# KiCad board Preamp_1.kicad_pcb (continued)
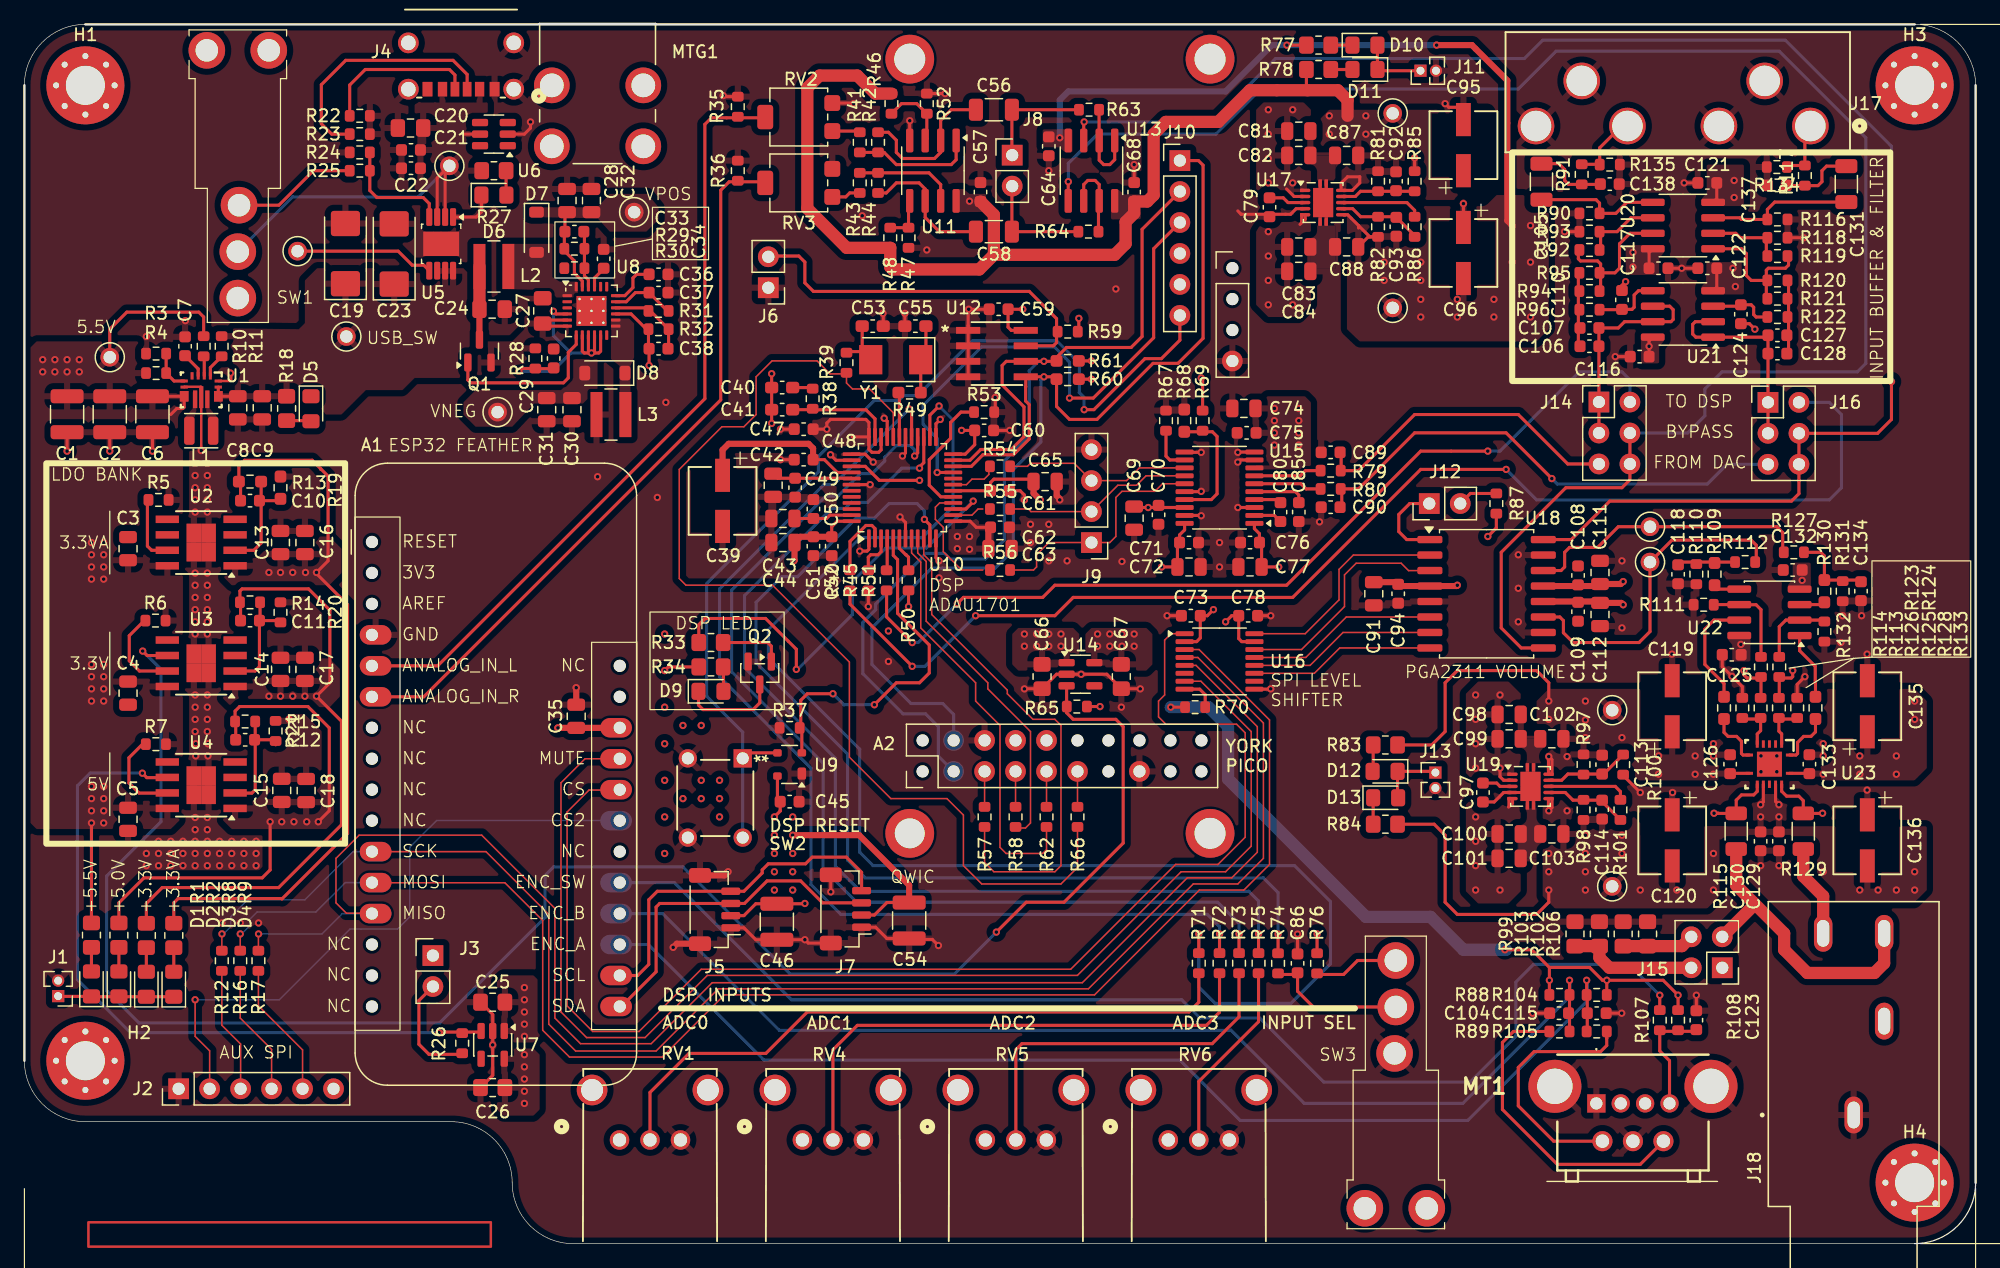
[diagram p0: board, top side]
## Library data of the parts
A1 A2 = -: Datasheet: https://cdn-learn.adafruit.com/downloads/pdf/adafruit-feather.pdf; Description: Microcontroller module in various flavor, generic symbol; ki_fp_filters: Adafruit*Feather*
C1 C2 C6 C46 C54 = -: Part Number: GRM32ER71E226ME15L; Voltage: 25V; Manufacturer_Part_Number: GRM32ER71E226ME15L; ki_fp_filters: C_*
C3-C5 C13-C18 C28 C30-C32 C35 C42-C44 C63 C65 C69 C72 C74 C77 C81-C84 C87 C88 C91 C98-C103 C111 C112 = -: Description: CAP CER 10UF 25V X7R 1206; Part Number: GRM21BZ71E106KE15L; Voltage: 25V; Manufacturer_Part_Number: GRM21BZ71E106KE15L; ki_fp_filters: C_*
C7 C47 C57 C64 C68 C73 C78 C116 C117 C121 C122 C125 C126 C129 C130 C132 C133 = -: Part Number: GCJ188R71C104KA01D; Voltage: 16V; Manufacturer_Part_Number: GCJ188R71C104KA01D; ki_fp_filters: C_*
C8 C9 = -: Part Number: GRM21BZ71E106KE15L; Voltage: 25V; Manufacturer_Part_Number: GRM21BZ71E106KE15L; ki_fp_filters: C_*
C10-C12 C21 C34 C79 C92 C93 C97 C113 C114 = -: Description: CAP CER 10000PF 100V X7R 0603; Part Number: GCM188R72A103KA37D; Voltage: 100V; Manufacturer_Part_Number: GCM188R72A103KA37D; ki_fp_filters: C_*
C19 C23 = -: Description: CAP, TANTALUM, 68U; Voltage: 16V; Part Number: T495C686M016ATE250; Manufacturer_Part_Number: T495C686M016ATE250; ki_fp_filters: CP_*
C20 C24 C27 = -: Description: CAP, MLCC, 4.7U, 50V, 0805; Part Number: GRM188Z71C475KE21D; Voltage: 16V; Manufacturer_Part_Number: GRM188Z71C475KE21D; ki_fp_filters: C_*
C22 C29 C45 C48-C52 C59-C62 C70 C71 C75 C76 C94 C108 C109 = -: Description: CAP CER 0.1UF 35V X7R 0805; Part Number: GCJ188R71C104KA01D; Voltage: 16V; Manufacturer_Part_Number: GCJ188R71C104KA01D; ki_fp_filters: C_*
C25 C26 C66 C67 = -: Part Number: 0805YC105KAT2A; Voltage: 16V; Manufacturer_Part_Number: 0805YC105KAT2A; ki_fp_filters: C_*
C33 C38 = -: Voltage: 100V; ki_fp_filters: C_*
C36 = -: Part Number: GCM188R71H472KA37J; Voltage: 50V; Manufacturer_Part_Number: GCM188R71H472KA37J; ki_fp_filters: C_*
C37 = -: Part Number: GRM188R71E224KA88D; Voltage: 25V; Manufacturer_Part_Number: GRM188R71E224KA88D; ki_fp_filters: C_*
C39 = -: Description: 47 µF 35 V Aluminum Electrolytic Capacitors Radial, Can - SMD 2000 Hrs @ 105°C; Part Number: UCM1V470MCL1GS; Voltage: 35V; Manufacturer_Part_Number: UCM1V470MCL1GS; ki_fp_filters: C_*
C40 = -: Part Number: GCM188R71H563KA57D; Voltage: 50V; Manufacturer_Part_Number: GCM188R71H563KA57D; ki_fp_filters: C_*
C41 = -: Part Number: GRM1885C1H332JA01D; Voltage: 50V; Manufacturer_Part_Number: GRM1885C1H332JA01D; ki_fp_filters: C_*
C53 C55 = -: Voltage: 35V; ki_fp_filters: C_*
C56 C58 = -: Part Number: GRM31C5C1H224JE02L; Voltage: 50V; Manufacturer_Part_Number: GRM31C5C1H224JE02L; Dielectric: C0G; ki_fp_filters: C_*
C80 C85 = -: Description: CAP CER 2.2UF 16V X7R 0603; Part Number: GRM188Z71E225ME43D; Voltage: 16V; Manufacturer_Part_Number: GRM188Z71E225ME43D; ki_fp_filters: C_*
C86 C104 C115 C123 = -: Description: CAP, MLCC, 0.1U, 16V, 0805; Part Number: GCJ188R71C104KA01D; Voltage: 16V; Manufacturer_Part_Number: GCJ188R71C104KA01D; ki_fp_filters: C_*
C89 C90 = -: Part Number: GRM1885C1H222JA01D; Voltage: 50V; Manufacturer_Part_Number: GRM1885C1H222JA01D; Dielectric: C0G; ki_fp_filters: C_*
C95 C96 C119 C120 C135 C136 = -: Description: 47 µF 35 V Aluminum Electrolytic Capacitors Radial, Can - SMD 2000 Hrs @ 105°C; Part Number: UCM1V470MCL1GS; Voltage: 35V; Manufacturer_Part_Number: UCM1V470MCL1GS; ki_fp_filters: CP_*
C105 C131 = -: Description: CAP CER 0.22UF 50V C0G/NP0 1206; Part Number: GRM31C5C1H224JE02L; Voltage: 50V; Manufacturer_Part_Number: GRM31C5C1H224JE02L; Dielectric: C0G; ki_fp_filters: C_*
C106 C107 C110 C124 C127 C128 = -: Part Number: GRM1885C1E122JA01D; Voltage: 25V; Manufacturer_Part_Number: GRM1885C1E122JA01D; Dielectric: C0G; ki_fp_filters: C_*
C118 C134 C137 C138 = -: Part Number: GRM1885C1H101JA01D; Voltage: 50V; Manufacturer_Part_Number: GRM1885C1H101JA01D; Dielectric: C0G; ki_fp_filters: C_*
D1-D6 D9-D13 = -: Description: Light emitting diode; Part Number: APT2012PGW; ki_fp_filters: LED* LED_SMD:* LED_THT:*
D7 D8 = -: Description: Schottky diode; Part Number: MBR120; ki_fp_filters: TO-???* *_Diode_* *SingleDiode* D_*
H1-H4 = -: Description: Mounting Hole with connection; ki_fp_filters: MountingHole*Pad*
J1 J11 J13 = -: Description: Generic connector, double row, 02x01, this symbol is compatible with counter-clockwise, top-bottom and odd-even numbering schemes., script generated (kicad-library-utils/schlib/autogen/connector/); Part Number: FTS-102-01-L-S; ki_fp_filters: Connector*:*_2x??_*
J2 J10 = -: Description: Generic connector, single row, 01x06, script generated (kicad-library-utils/schlib/autogen/connector/); ki_fp_filters: Connector*:*_1x??_*
J3 J6 J8 J12 = -: Description: Generic connector, double row, 02x01, this symbol is compatible with counter-clockwise, top-bottom and odd-even numbering schemes., script generated (kicad-library-utils/schlib/autogen/connector/); ki_fp_filters: Connector*:*_2x??_*
J4 = -: ki_fp_filters: CONN6_125-GF-A-0190_GCT
J5 J7 = -: Description: Generic connectable mounting pin connector, single row, 01x04, script generated (kicad-library-utils/schlib/autogen/connector/); ki_fp_filters: Connector*:*_1x??-1MP*
J9 = -: Description: Generic connector, single row, 01x04, script generated (kicad-library-utils/schlib/autogen/connector/); ki_fp_filters: Connector*:*_1x??_*
J14 J16 = -: Description: Generic connector, double row, 02x03, odd/even pin numbering scheme (row 1 odd numbers, row 2 even numbers), script generated (kicad-library-utils/schlib/autogen/connector/); ki_fp_filters: Connector*:*_2x??_*
J15 = -: Description: Generic connector, double row, 02x02, odd/even pin numbering scheme (row 1 odd numbers, row 2 even numbers), script generated (kicad-library-utils/schlib/autogen/connector/); ki_fp_filters: Connector*:*_2x??_*
J17 = -: ki_fp_filters: CONN6_984x394_SWC
J18 = -: Description: 1/4 IN TRS Jack
L1 = -: Description: 1u inductor; Part Number: 74438324010; Manufacturer_Part_Number: 74438324010; ki_fp_filters: Choke_* *Coil* Inductor_* L_*
L2 L3 = -: Description: Inductor; Part Number: 74438357047; Manufacturer_Part_Number: 74438357047; ki_fp_filters: Choke_* *Coil* Inductor_* L_*
MT1 = -: Description: 2 Bit Quadrature Encoder; PARTREV: Rev. 09/19; MANUFACTURER: J.W.Miller/Bourns; MAXIMUM_PACKAGE_HEIGHT: 21.5 mm; STANDARD: Manufacturer Recommendations
Q1 = -: Datasheet: http://www.vishay.com/docs/63924/si2371eds.pdf; Description: -3.6A Id, -30V Vds, P-Channel MOSFET, SOT-23; ki_fp_filters: SOT?23*
Q2 = -: Datasheet: https://assets.nexperia.com/documents/data-sheet/MMBT2222A.pdf; Description: 600mA Ic, 40V Vce, NPN Transistor, SOT-23; ki_fp_filters: SOT?23*
R1 R2 R18 R77 R78 = -: Part Number: CRCW0805150RFKEA; Manufacturer_Part_Number: CRCW0805150RFKEA; ki_fp_filters: R_*
R3 R4 R20 R29 R30 R68 R69 R109 R114 R115 R123 R124 R129 R130 R133 = -: ki_fp_filters: R_*
R5-R7 R10 R11 R24-R26 R46-R48 R52 R59 R63-R65 R76 R85-R89 R92 R93 R100 R101 R104 R105 R108 R119 = -: Part Number: CRCW060310K0FKEA; ki_fp_filters: R_*
R8 R9 R84 = -: Part Number: CRCW0805150RFKEA; ki_fp_filters: R_*
R12 R16 R17 R39 R50 R53 R57 R58 R62 R66 R71-R75 R107 = -: Description: RES, 0805, 0-OHM; Part Number: CRCW06030000Z0EA; ki_fp_filters: R_*
R13 R15 R81 = -: Part Number: CRCW060332K4FKEA; ki_fp_filters: R_*
R14 = -: Part Number: CRCW080532K4FKEA; ki_fp_filters: R_*
R19 = -: Part Number: CRCW060324K5FKEA; ki_fp_filters: R_*
R21 = -: Part Number: CRCW060315K0FKEA; ki_fp_filters: R_*
R22 R23 = -: Description: RES, 0603, 5.1K, 1PCT; Part Number: CRCW06035K10FKEA; ki_fp_filters: R_*
R27 = -: Description: RES, 0805, 150-OHM, 1PCT; Part Number: CRCW0805150RFKEA; Manufacturer_Part_Number: CRCW0805150RFKEA; ki_fp_filters: R_*
R28 = -: Part Number: CRCW0603100RFKEA; ki_fp_filters: R_*
R31 R35-R37 R90 R116 R134 R135 = -: Part Number: CRCW0603100KFKEA; ki_fp_filters: R_*
R32 = -: Part Number: CRCW06031M00FKEA; ki_fp_filters: R_*
R33 = -: Description: RES, 0805, 2.2K, 1PCT; Part Number: CRCW08052K20FKEA; ki_fp_filters: R_*
R34 R83 = -: Description: RES, 0805, 150-OHM, 1PCT; Part Number: CRCW0805150RFKEA; ki_fp_filters: R_*
R38 = -: Description: RES, 0805, 470, 1PCT; Part Number: CRCW0603470RFKEA; ki_fp_filters: R_*
R40 R45 R51 = -: Description: RES, 0805, 18K, 1PCT; Part Number: CRCW060318K0FKEA; ki_fp_filters: R_*
R41 R43 R99 R102 R103 R106 = -: Part Number: CRCW0805820RFKEA; ki_fp_filters: R_*
R42 R44 = -: Part Number: CRCW060356K0FKEA; ki_fp_filters: R_*
R49 = -: Description: RES, 0805, 100, 1PCT; Part Number: CRCW0805100RFKEA; ki_fp_filters: R_*
R54-R56 R67 = -: Description: 0 OHM JUMPER; Part Number: CRCW06030000Z0EA; ki_fp_filters: R_*
R60 R61 = -: Description: RES, 0805, 2.2K, 1PCT; Part Number: CRCW06032K20FKEA; ki_fp_filters: R_*
R70 = -: Description: RES, 0805, 3K3, 1PCT; Part Number: CRCW08053K30FKEA; ki_fp_filters: R_*
R79 R80 = -: Description: RES, 0805, 470-OHM; Part Number: CRCW0603470RFKEA; ki_fp_filters: R_*
R82 = -: Part Number: CRCW060342K2FKEA; ki_fp_filters: R_*
R91 R110-R113 R117 R125-R128 R131 R132 = -: Part Number: CRCW06031K00FKEA; ki_fp_filters: R_*
R94-R96 R120-R122 = -: Part Number: CRCW06031K80FKEA; ki_fp_filters: R_*
R97 = -: Part Number: CRCW060375K0FKEA; ki_fp_filters: R_*
R98 = -: Part Number: CRCW060384K5FKEA; ki_fp_filters: R_*
R118 = -: Part Number: CRCW060327K0FKEA; ki_fp_filters: R_*
RV1 RV4-RV6 = -: Description: Potentiometer with a mounting pin; ki_fp_filters: Potentiometer*
RV2 RV3 = -: Description: 3314G-1-103E; ki_fp_filters: Potentiometer*
SW1-SW3 = -: Description: SPDT Toggle Switch
TP1-TP12 = -: PARTREV: C; MANUFACTURER: Keystone Electronics; MAXIMUM_PACKAGE_HEIGHT: 5.08 mm; STANDARD: Manufacturer Recommendations
U1 = -: Datasheet: https://www.ti.com/lit/gpn/tps63070; Description: Wide input voltage (2V-16V) buck-boost converter; ki_fp_filters: RNM0015A
U2-U4 = -: Datasheet: https://www.ti.com/lit/ds/symlink/tps7b86-q1.pdf?ts=1763509538684&ref_url=https%253A%252F%252Fwww.ti.com%252Fproduct%252FTPS7B86-Q1; Description: LDO, ADJ, 500MA; Part Number: TPS7B8601BQDDARQ1
U5 = -: Description: 2A USB Switch; Part Number: TPS2000EDGNR
U6 = -: Datasheet: https://www.st.com/resource/en/datasheet/usblc6-2.pdf; Description: Very low capacitance ESD protection diode, 2 data-line, SOT-23-6; ki_fp_filters: SOT?23*
U7 = -: Datasheet: https://www.ti.com/lit/ds/symlink/tps7a05.pdf; Description: 200-mA Ultra-Low-Iq LDO, 3.0V, SOT-23-5; ki_fp_filters: SOT?23*
U8 = -: Datasheet: http://www.ti.com/lit/ds/symlink/tps65130.pdf; Description: Split-Rail Converter with Dual, Positive and Negative Outputs (750mA typ, Switch Current Limit 1950mA typ),), 2.7-5.5V, VQFN-24; ki_fp_filters: VQFN*1EP*4x4mm*P0.5mm*
U9 = -: Description: Manual Reset Controller, 3.3V; Part Number: ADM811-3TARTZ-RL7; Manufacturer_Part_Number: ADM811-3TARTZ-RL7
U10 = -: Datasheet: https://www.analog.com/media/en/technical-documentation/data-sheets/ADAU1701.pdf; Description: SigmaDSP 28-/56-Bit Audio Processor with Two ADCs and Four DACs, 50 MIPS, 1kword Program RAM, 2kword Data RAM, LQFP-48; Manufacturer_Part_Number: ADAU1701JSTZ-RL; Part Number: ADAU1701JSTZ-RL; ki_fp_filters: LQFP*7x7mm*P0.5mm*
U11 U13 U20 U21 = -: Datasheet: http://www.ti.com/lit/ds/symlink/opa1678.pdf; Description: Low-Distortion Audio Operational Amplifiers, SOIC-8/VSSOP-8; Part Number: OPA1678IDR; Manufacturer_Part_Number: OPA1678IDR; ki_fp_filters: SOIC*3.9x4.9mm*P1.27mm* DIP*W7.62mm* TO*99* OnSemi*Micro8* TSSOP*3x3mm*P0.65mm* TSSOP*4.4x3mm*P0.65mm* MSOP*3x3mm*P0.65mm* SSOP*3.9x4.9mm*P0.635mm* LFCSP*2x2mm*P0.5mm* *SIP* SOIC*5.3x6.2mm*P1.27mm*
U12 = -: Datasheet: https://www.onsemi.com/pub/Collateral/CAT24M01-D.PDF; Description: 256 kB I2C CMOS Serial EEPROM; ki_fp_filters: DIP*W7.62mm*
U14 = -: Datasheet: https://www.ti.com/lit/ds/symlink/tps7a05.pdf; Description: 200-mA Ultra-Low-Iq LDO, 1.8V, SOT-23-5; ki_fp_filters: SOT?23*
U15 = -: Datasheet: https://www.ti.com/lit/ds/symlink/pcm5102a.pdf; Description: 2.1 VRMS, 112dB Audio Stereo DAC with PLL and 32-bit, 384kHz PCM Interface, TSSOP-20; Manufacturer_Part_Number: PCM5102APWR; Part Number: PCM5102APWR; ki_fp_filters: TSSOP*4.4x6.5mm*P0.65mm*
U16 = -: Datasheet: http://www.ti.com/lit/ds/symlink/txb0106.pdf; Description: 6-Bit Bidirectional Voltage-Level Translator, Auto Direction Sensing and ±15-kV ESD Protection, 1.2 - 3.6V APort, 1.65 - 5.5V BPort, TSSOP-16; ki_fp_filters: TSSOP*4.4x5mm*P0.65mm*
U17 U19 = -: Datasheet: https://www.ti.com/lit/ds/symlink/tps7a39.pdf; Description: Dual, 150-mA, ±3.3V to ±33V Input, +1.2V to +30V and -30V to 0V Output, Wide VIN Positive and Negative LDO Voltage Regulator, 3x3mm WSON-10 package; Part Number: TPS7A3901DSCR; Manufacturer_Part_Number: TPS7A3901DSCR; ki_fp_filters: Texas*PVSON*
U18 = -: Datasheet: https://www.ti.com.cn/cn/lit/gpn/pga2310; Description: 2-Channel Audio Volume Control, SPI Interface, +31.5dB to -95.5dB, SOL-16; ki_fp_filters: SOIC*16W*7.5x10.3mm*P1.27mm*
U22 = -: Datasheet: https://www.ti.com/lit/ds/symlink/opa2156.pdf; Description: Dual 36V, Ultra Low Noise, Rail-to-Rail Input/Output, Low Offset Voltage, Operational Amplifier, SOIC-8; Sim.Name: kicad_builtin_opamp_dual; Sim.Device: SUBCKT; Sim.Pins: 1=out1 2=in1- 3=in1+ 4=vee 5=in2+ 6=in2- 7=out2 8=vcc; Manufacturer_Part_Number: OPA2156IDR; Part Number: OPA2156IDR; ki_fp_filters: SOIC*3.9x4.9mm*P1.27mm*
U23 = -: Description: Stereo, 9.0- to 33.0-V, analog input headphone amplifier with 128 dB dynamic range; Part Number: TPA6120A2RGYR; Manufacturer_Part_Number: TPA6120A2RGYR; ki_fp_filters: SOIC*3.9x4.9mm*P1.27mm* DIP*W7.62mm* MSOP*3x3mm*P0.65mm* SSOP*2.95x2.8mm*P0.65mm* TSSOP*3x3mm*P0.65mm* VSSOP*P0.5mm* TO?99*
Y1 = -: Description: Two pin crystal; ki_fp_filters: Crystal*

## Footprints (pads in the part's own frame, mm; a bottom-side part is the same pattern mirrored in y, then rotated)
100AWSP1T2B4M7RE
  round 3 hole 1.85: 1(0,0) 2(0,-3.81) 3(-0.1,-7.62) 4(-2.54,-20.32) 5(2.54,-20.32)
Adafruit_Feather2
  rrect 2.6x1.6 hole 1: 1(0,0)
  oval 2.6x1.6 hole 1: 2(0,-2.54) 3(0,-5.08) 4(0,-7.62) 5(0,-10.16) 6(0,-12.7) 7(0,-15.24) 8(0,-17.78) 9(0,-20.32) 10(0,-22.86) 11(0,-25.4) 12(0,-27.94) 13(0,-30.48) 14(0,-33.02) 15(0,-35.56) 16(0,-38.1) 17(20.32,-38.1) 18(20.32,-35.56) 19(20.32,-33.02) 20(20.32,-30.48) 21(20.32,-27.94) 22(20.32,-25.4) 23(20.32,-22.86) 24(20.32,-20.32) 25(20.32,-17.78) 26(20.32,-15.24) 27(20.32,-12.7) 28(20.32,-10.16)
C_0603_1608Metric
  rrect 0.9x0.95 smd: 1(-0.775,0) 2(0.775,0)
C_0603_1608Metric_Pad1.08x0.95mm_HandSolder
  rrect 1.075x0.95 smd: 1(-0.863,0) 2(0.863,0)
C_0805_2012Metric
  rrect 1x1.45 smd: 1(-0.95,0) 2(0.95,0)
C_0805_2012Metric_HandSolder
  rrect 1.2x1.4 smd: 1(-1,0) 2(1,0)
C_0805_2012Metric_Pad1.18x1.45mm_HandSolder
  rrect 1.175x1.45 smd: 1(-1.038,0) 2(1.038,0)
C_1206_3216Metric
  rrect 1.15x1.8 smd: 1(-1.475,0) 2(1.475,0)
C_1210_3225Metric
  rrect 1.15x2.7 smd: 1(-1.475,0) 2(1.475,0)
CAP_UCD_5X5P8_NCH
  rect 2.718x1.219 smd: 1(-2.095,0) 2(2.095,0)
CONN6_125-GF-A-0190_GCT
  round 1.702 hole 1.2: 7(-1.57,0) 8(-1.57,-3.8) 9(7.07,0) 10(7.07,-3.8)
  rect 0.711x1.194 smd: A5(2.25,0) B5(3.25,0)
  rect 0.762x1.194 smd: A9(4.27,0) B9(1.23,0)
  rect 0.813x1.194 smd: A12(5.5,0) B12(0,0)
CONN6_984x394_SWC_BS
  round 3 hole 2.5: 1(3.75,-3.7) 2(0,0) 3(7.5,0) 4(18.75,-3.7) 5(15,0) 6(22.5,0)
CP_EIA-6032-28_Kemet-C
  rrect 2.07x2.39 smd: 1(-2.47,0) 2(2.47,0)
Crystal_SMD_Abracon_ABM3-2Pin_5.0x3.2mm
  rect 1.9x2.4 smd: 1(-2.05,0) 2(2.05,0)
CUI_SJ-63063B
  oval 3.016x1.508 hole 2.2x1: 1(0,0) 2(14.9,-2.5) 3(14.9,2.5) 4(7.7,-2.5)
D_SOD-123
  rrect 0.9x1.2 smd: 1(-1.65,0) 2(1.65,0)
JST_SH_BM04B-SRSS-TB_1x04-1MP_P1.00mm_Vertical
  rrect 0.6x1.55 smd: 1(-1.5,-1.325) 2(-0.5,-1.325) 3(0.5,-1.325) 4(1.5,-1.325)
  rrect 1.2x1.8 smd: MP(-2.8,1.2) MP(2.8,1.2)
KEYSTONE_5020
  round 1.53 hole 1.02: TP(0,0)
KEYSTONE_7695
  round 2.925 hole 1.95: 1(-3.75,2.5) 2(3.75,2.5) 3(-3.75,-2.5) 4(3.75,-2.5)
L_Wuerth_MAPI-2512
  rrect 0.85x2.3 smd: 1(-0.975,0) 2(0.975,0)
L_Wuerth_MAPI-4020
  rect 0.98x3.7 smd: 1(-1.185,0) 2(1.185,0)
LED_0805_2012Metric_Pad1.15x1.40mm_HandSolder
  rrect 1.15x1.4 smd: 1(-1.025,0) 2(1.025,0)
LQFP-48_7x7mm_P0.5mm
  rrect 1.475x0.3 smd: 1(-4.162,2.75) 2(-4.162,2.25) 3(-4.162,1.75) 4(-4.162,1.25) 5(-4.162,0.75) 6(-4.162,0.25) 7(-4.162,-0.25) 8(-4.162,-0.75) 9(-4.162,-1.25) 10(-4.162,-1.75) 11(-4.162,-2.25) 12(-4.162,-2.75) 25(4.162,-2.75) 26(4.162,-2.25) 27(4.162,-1.75) 28(4.162,-1.25) 29(4.162,-0.75) 30(4.162,-0.25) 31(4.162,0.25) 32(4.162,0.75) 33(4.162,1.25) 34(4.162,1.75) 35(4.162,2.25) 36(4.162,2.75)
  rrect 0.3x1.475 smd: 13(-2.75,-4.162) 14(-2.25,-4.162) 15(-1.75,-4.162) 16(-1.25,-4.162) 17(-0.75,-4.162) 18(-0.25,-4.162) 19(0.25,-4.162) 20(0.75,-4.162) 21(1.25,-4.162) 22(1.75,-4.162) 23(2.25,-4.162) 24(2.75,-4.162) 37(2.75,4.162) 38(2.25,4.162) 39(1.75,4.162) 40(1.25,4.162) 41(0.75,4.162) 42(0.25,4.162) 43(-0.25,4.162) 44(-0.75,4.162) 45(-1.25,4.162) 46(-1.75,4.162) 47(-2.25,4.162) 48(-2.75,4.162)
MountingHole_3.2mm_M3_Pad_Via
  round 0.8 hole 0.5: 1(-2.4,0) 1(-1.697,1.697) 1(-1.697,-1.697) 1(0,2.4) 1(0,-2.4) 1(1.697,1.697) 1(1.697,-1.697) 1(2.4,0)
  round 6.4 hole 3.2: 1(0,0)
PEL12D2225SS1024
  rect 1.5x1.5 hole 1: 1(-2.94,-1.4)
  round 1.5 hole 1: 2(-0.94,-1.4) 3(1.06,-1.4) 4(3.06,-1.4)
  round 1.65 hole 1.1: A(-2.44,-4.5) B(2.56,-4.5) COM(0.06,-4.5)
  round 4.35 hole 2.9: MH1(-6.34,0) MH2(6.46,0)
PinHeader_1x02_P1.27mm_Vertical
  rect 1x1 hole 0.65: 1(0,0)
  oval 1x1 hole 0.65: 2(0,-1.27)
PinHeader_1x02_P1.27mm_Vertical#2
  rect 1x1 hole 0.65: 1(0,0)
  round 1 hole 0.65: 2(0,-1.27)
PinHeader_1x02_P2.54mm_Vertical
  rect 1.7x1.7 hole 1: 1(0,0)
  oval 1.7x1.7 hole 1: 2(0,-2.54)
PinHeader_1x02_P2.54mm_Vertical#2
  rect 1.7x1.7 hole 1: 1(0,0)
  round 1.7 hole 1: 2(0,-2.54)
PinHeader_1x04_P2.54mm_Vertical
  rect 1.7x1.7 hole 1: 1(0,0)
  oval 1.7x1.7 hole 1: 2(0,-2.54) 3(0,-5.08) 4(0,-7.62)
PinHeader_1x06_P2.54mm_Vertical
  rect 1.7x1.7 hole 1: 1(0,0)
  oval 1.7x1.7 hole 1: 2(0,-2.54) 3(0,-5.08) 4(0,-7.62) 5(0,-10.16) 6(0,-12.7)
PinHeader_2x02_P2.54mm_Vertical
  rect 1.7x1.7 hole 1: 1(0,0)
  oval 1.7x1.7 hole 1: 2(2.54,0) 3(0,-2.54) 4(2.54,-2.54)
PinHeader_2x03_P2.54mm_Vertical
  rect 1.7x1.7 hole 1: 1(0,0)
  oval 1.7x1.7 hole 1: 2(2.54,0) 3(0,-2.54) 4(2.54,-2.54) 5(0,-5.08) 6(2.54,-5.08)
Potentiometer_Bourns_3314G_Vertical
  rrect 1.3x1.3 smd: 1(-1.15,2.75) 3(1.15,2.75)
  rrect 2x1.3 smd: 2(0,-2.75)
R_0603_1608Metric
  rrect 0.8x0.95 smd: 1(-0.825,0) 2(0.825,0)
R_0603_1608Metric_Pad0.98x0.95mm_HandSolder
  rrect 0.975x0.95 smd: 1(-0.912,0) 2(0.912,0)
R_0805_2012Metric_HandSolder
  rrect 1.2x1.4 smd: 1(-1,0) 2(1,0)
R_0805_2012Metric_Pad1.20x1.40mm_HandSolder
  rrect 1.2x1.4 smd: 1(-1,0) 2(1,0)
R_1206_3216Metric
  rrect 1.125x1.75 smd: 1(-1.462,0) 2(1.462,0)
RGY0014A
  rect 0.24x0.6 smd: 1(-0.75,1.65) 7(-0.75,-1.65) 8(0.75,-1.65) 14(0.75,1.65)
  rect 0.6x0.24 smd: 2(-1.65,1) 3(-1.65,0.5) 4(-1.65,0) 5(-1.65,-0.5) 6(-1.65,-1) 9(1.65,-1) 10(1.65,-0.5) 11(1.65,0) 12(1.65,0.5) 13(1.65,1)
  rect 2.05x2.05 smd: 15(0,0)
RK09L1120036
  round 1.6 hole 1.092: 1(0,1.7) 2(2.5,1.7) 3(5,1.7)
  oval 2.515x2.515 hole 1.8: 7(-2.25,5.8) 8(7.25,5.8)
RNM0015A
  rect 0.6x0.24 smd: 1(-1.15,0.75) 2(-1.15,0.25) 3(-1.15,-0.25) 4(-1.15,-0.75)
  rect 0.24x0.6 smd: 5(-0.725,-1.4) 6(-0.225,-1.4) 14(-0.225,1.4) 15(-0.725,1.4)
  rect 0.85x0.7 smd: 7(0.525,-1.4) 8(0.525,-1.4) 12(0.525,1.4) 13(0.525,1.4)
  rect 1.45x0.35 smd: 9(0.775,-0.5) 11(0.775,0.5)
  rect 1.8x0.35 smd: 10(0.6,0)
SOIC8-N_MC_MCH
  rect 1.981x0.559 smd: 1(-2.362,1.905) 2(-2.362,0.635) 3(-2.362,-0.635) 4(-2.362,-1.905) 5(2.362,-1.905) 6(2.362,-0.635) 7(2.362,0.635) 8(2.362,1.905)
SOIC-8_3.9x4.9mm_P1.27mm
  rrect 1.95x0.6 smd: 1(-2.475,1.905) 2(-2.475,0.635) 3(-2.475,-0.635) 4(-2.475,-1.905) 5(2.475,-1.905) 6(2.475,-0.635) 7(2.475,0.635) 8(2.475,1.905)
SOIC-16W_7.5x10.3mm_P1.27mm
  rrect 2.05x0.6 smd: 1(-4.65,4.445) 2(-4.65,3.175) 3(-4.65,1.905) 4(-4.65,0.635) 5(-4.65,-0.635) 6(-4.65,-1.905) 7(-4.65,-3.175) 8(-4.65,-4.445) 9(4.65,-4.445) 10(4.65,-3.175) 11(4.65,-1.905) 12(4.65,-0.635) 13(4.65,0.635) 14(4.65,1.905) 15(4.65,3.175) 16(4.65,4.445)
SOT-23
  rrect 1.475x0.6 smd: 1(-0.938,0.95) 2(-0.938,-0.95) 3(0.938,0)
SOT-23-5
  rrect 1.325x0.6 smd: 1(-1.137,0.95) 2(-1.137,0) 3(-1.137,-0.95) 4(1.137,-0.95) 5(1.137,0.95)
SOT-23-6
  rrect 1.325x0.6 smd: 1(-1.137,0.95) 2(-1.137,0) 3(-1.137,-0.95) 4(1.137,-0.95) 5(1.137,0) 6(1.137,0.95)
SOT-143
  rrect 0.7x1 smd: 1(-1,0.75)
  rrect 0.7x0.6 smd: 2(-1,-0.95) 3(1,-0.95) 4(1,0.95)
SW4_1825910-B_TEC
  rect 1.499x1.499 hole 0.991: 1(-6.5,4.5)
  round 1.499 hole 0.991: 2(0,4.5) 3(-6.5,0) 4(0,0)
Texas_DGN0008G_VSSOP-8-1EP_3x3mm_P0.65mm_EP2x2.94mm_Mask1.846x2.15mm
  rrect 1.49x1.73 smd: (0,0)
  rect 1.846x2.15 smd: (0,0)
  rrect 1.45x0.5 smd: 1(-2.2,0.975) 2(-2.2,0.325) 3(-2.2,-0.325) 4(-2.2,-0.975) 5(2.2,-0.975) 6(2.2,-0.325) 7(2.2,0.325) 8(2.2,0.975)
  rect 2x2.94 smd: 9(0,0)
Texas_S-PVSON-N10
  rect 0.28x0.28 smd: 1(-1.76,1) 2(-1.76,0.5) 3(-1.76,0) 4(-1.76,-0.5) 5(-1.76,-1) 6(1.76,-1) 7(1.76,-0.5) 8(1.76,0) 9(1.76,0.5) 10(1.76,1)
  oval 0.85x0.28 smd: 1(-1.475,1) 2(-1.475,0.5) 3(-1.475,0) 4(-1.475,-0.5) 5(-1.475,-1) 6(1.475,-1) 7(1.475,-0.5) 8(1.475,0) 9(1.475,0.5) 10(1.475,1)
  rect 0.68x1.05 smd: 11(-0.45,0.635) 11(-0.45,-0.635) 11(0.45,0.635) 11(0.45,-0.635)
  rect 0.26x0.5 smd: 11(-0.25,1.63) 11(-0.25,-1.63) 11(0.25,1.63) 11(0.25,-1.63)
  rect 0.28x0.7 smd: 11(-0.25,1.55) 11(-0.25,-1.55) 11(0.25,1.55) 11(0.25,-1.55)
  rect 1.65x2.4 smd: 11(0,0)
TI_SO-PowerPAD-8
  rect 1.91x0.61 smd: 1(-2.78,1.905) 2(-2.78,0.635) 3(-2.78,-0.635) 4(-2.78,-1.905) 5(2.78,-1.905) 6(2.78,-0.635) 7(2.78,0.635) 8(2.78,1.905)
  rect 1.205x1.55 smd: 9(-0.603,0.775) 9(-0.603,-0.775) 9(0.603,0.775) 9(0.603,-0.775)
TSSOP-16_4.4x5mm_P0.65mm
  rrect 1.475x0.4 smd: 1(-2.862,2.275) 2(-2.862,1.625) 3(-2.862,0.975) 4(-2.862,0.325) 5(-2.862,-0.325) 6(-2.862,-0.975) 7(-2.862,-1.625) 8(-2.862,-2.275) 9(2.862,-2.275) 10(2.862,-1.625) 11(2.862,-0.975) 12(2.862,-0.325) 13(2.862,0.325) 14(2.862,0.975) 15(2.862,1.625) 16(2.862,2.275)
TSSOP-20_4.4x6.5mm_P0.65mm
  rrect 1.475x0.4 smd: 1(-2.862,2.925) 2(-2.862,2.275) 3(-2.862,1.625) 4(-2.862,0.975) 5(-2.862,0.325) 6(-2.862,-0.325) 7(-2.862,-0.975) 8(-2.862,-1.625) 9(-2.862,-2.275) 10(-2.862,-2.925) 11(2.862,-2.925) 12(2.862,-2.275) 13(2.862,-1.625) 14(2.862,-0.975) 15(2.862,-0.325) 16(2.862,0.325) 17(2.862,0.975) 18(2.862,1.625) 19(2.862,2.275) 20(2.862,2.925)
VQFN-24-1EP_4x4mm_P0.5mm_EP2.45x2.45mm_ThermalVias
  custom 0.908x0.908 smd: (-0.487,0.487) (-0.487,-0.487) (0.487,0.487) (0.487,-0.487)
  rrect 0.775x0.25 smd: 1(-1.988,1.25) 2(-1.988,0.75) 3(-1.988,0.25) 4(-1.988,-0.25) 5(-1.988,-0.75) 6(-1.988,-1.25) 13(1.988,-1.25) 14(1.988,-0.75) 15(1.988,-0.25) 16(1.988,0.25) 17(1.988,0.75) 18(1.988,1.25)
  rrect 0.25x0.775 smd: 7(-1.25,-1.988) 8(-0.75,-1.988) 9(-0.25,-1.988) 10(0.25,-1.988) 11(0.75,-1.988) 12(1.25,-1.988) 19(1.25,1.988) 20(0.75,1.988) 21(0.25,1.988) 22(-0.25,1.988) 23(-0.75,1.988) 24(-1.25,1.988)
  round 0.5 hole 0.2: 25(-0.975,0.975) 25(-0.975,0) 25(-0.975,-0.975) 25(0,0.975) 25(0,0) 25(0,-0.975) 25(0.975,0.975) 25(0.975,0) 25(0.975,-0.975)
  rect 2.45x2.45 smd: 25(0,0)
  rect 2.45x2.45 smd far side: 25(0,0)
York_Pico_USB-to-I2S
  rect 1.7x1.7 hole 1: 1(4.43,-60.96) 21(29.83,-19.68)
  oval 1.7x1.7 hole 1: 2(4.43,-58.42) 3(6.97,-60.96) 4(6.97,-58.42) 5(9.51,-60.96) 6(9.51,-58.42) 7(12.05,-60.96) 8(12.05,-58.42) 9(14.59,-60.96) 10(14.59,-58.42) 11(17.13,-60.96) 12(17.13,-58.42) 13(19.67,-60.96) 14(19.67,-58.42) 15(22.21,-60.96) 16(22.21,-58.42) 17(24.75,-60.96) 18(24.75,-58.42) 19(27.29,-60.96) 20(27.29,-58.42) 22(29.83,-22.22) 23(29.83,-24.76) 24(29.83,-27.3)
  round 4 hole 2.54: 25(3.375,-2.54) 25(28,-2.54) 25(28,-66.04)
  round 4 hole 2.45: 25(3.375,-66.04)

## Nets
5.5V: C1.1 C2.1 C3.1 C4.1 C5.1 C6.1 R1.1 R4.1 R5.2 R6.2 R7.2 R10.1 TP1.TP U1.7 U1.8 U2.8 U3.8 U4.8
+1V8: C60.1 C62.1 C63.1 C67.2 C69.1 C70.1 R50.1 U10.13 U10.24 U10.39 U14.5 U15.18
+3.3V: C11.1 C14.1 C17.1 C45.1 C46.1 C54.1 C59.1 C61.1 C65.1 C66.2 C71.1 C72.1 C73.1 J5.2 J7.2 R8.1 R14.2 R34.1 R59.1 R60.1 R61.1 R65.2 R70.2 R88.1 R104.1 R108.1 U3.1 U9.4 U10.18 U12.8 U14.1 U15.20 U16.2
+3.3VA: C10.1 C13.1 C16.1 C40.1 C41.1 C44.1 C47.1 C51.1 C52.1 C74.1 C75.1 C76.1 C77.1 R9.1 R13.2 U2.1 U10.34 U10.36 U10.48 U15.1 U15.8
+3V0: C26.2 R76.2 RV1.1 RV4.1 RV5.1 RV6.1 U7.5
+5V: C12.1 C15.1 C18.1 C25.2 C78.1 C91.1 C94.1 J2.6 J3.2 R2.1 R15.2 R26.2 R87.2 U4.1 U7.1 U16.15 U18.4
+5VA: C57.1 C68.1 C87.1 C92.1 C95.1 C109.1 C112.1 C116.1 C117.1 C125.1 R46.2 R48.2 R78.1 R81.2 TP7.TP U11.8 U13.8 U17.10 U18.12 U20.8 U21.8 U22.8
+10V: C102.1 C113.1 C119.1 C126.1 C133.1 C135.1 R69.2 R83.1 R97.2 TP9.TP U19.10 U23.8 U23.14
-5VA: C64.2 C88.2 C93.2 C96.2 C108.2 C111.2 C121.2 C122.2 C132.2 R77.2 R82.1 TP8.TP U13.4 U17.6 U18.13 U20.4 U21.4 U22.4
-10V: C103.2 C114.2 C120.2 C129.2 C130.2 C136.2 R84.2 R98.1 TP10.TP U19.6 U23.10 U23.12
GND: A1.4 A2.6 A2.8 A2.10 A2.15 A2.24 C1.2 C2.2 C3.2 C4.2 C5.2 C6.2 C7.2 C8.2 C9.2 C13.2 C14.2 C15.2 C16.2 C17.2 C18.2 C19.2 C20.2 C21.2 C22.2 C23.2 C24.2 C25.1 C26.1 C27.2 C28.2 C29.2 C30.2 C31.2 C32.2 C34.2 C35.2 C36.2 C37.2 C39.2 C42.2 C43.2 C44.2 C45.2 C46.2 C47.2 C48.2 C49.2 C50.2 C51.2 C52.2 C53.2 C54.2 C55.2 C57.2 C59.2 C60.2 C61.2 C62.2 C63.2 C64.1 C65.2 C66.1 C67.1 C68.2 C69.2 C70.2 C71.2 C72.2 C73.2 C74.2 C75.2 C76.2 C77.2 C78.2 C79.2 C81.2 C82.2 C83.1 C84.1 C85.2 C86.2 C87.2 C88.1 C89.2 C90.2 C91.2 C94.2 C95.2 C96.1 C97.2 C98.2 C99.2 C100.1 C101.1 C102.2 C103.1 C104.2 C108.1 C109.2 C110.2 C111.1 C112.2 C115.2 C116.2 C117.2 C118.2 C119.2 C120.1 C121.1 C122.1 C123.2 C124.2 C125.2 C126.2 C129.1 C130.1 C132.1 C133.2 C134.2 C135.2 C136.1 C137.2 C138.2 D5.1 D6.1 J1.2 J2.1 J4.7 J4.8 J4.9 J4.10 J4.A12 J4.B12 J5.1 J5.MP J6.1 J7.1 J7.MP J9.4 J10.4 J11.2 J13.2 J17.1 J17.3 J17.4 J17.6 J18.1 L3.2 MT1.1 MT1.COM MT1.MH1 MT1.MH2 Q2.2 R3.2 R19.1 R20.1 R21.1 R22.2 R23.2 R24.2 R30.1 R35.1 R36.1 R37.1 R45.1 R47.1 R52.1 R53.2 R67.1 R68.1 R85.1 R90.1 R93.1 R99.2 R100.1 R102.2 R103.2 R106.2 R110.2 R111.1 R113.2 R116.1 R118.1 R128.2 R131.2 R132.1 R134.1 R135.1 RV1.3 RV2.1 RV3.1 RV4.3 RV5.3 RV6.3 SW2.3 SW2.4 SW3.3 U1.4 U1.6 U1.10 U1.15 U2.5 U2.9 U3.5 U3.9 U4.5 U4.9 U5.1 U5.9 U6.2 U7.2 U8.2 U8.3 U8.19 U8.25 U9.1 U10.1 U10.7 U10.12 U10.25 U10.30 U10.33 U10.37 U10.38 U10.42 U11.4 U12.1 U12.2 U12.3 U12.4 U14.2 U15.3 U15.9 U15.10 U15.11 U15.16 U15.19 U16.9 U17.4 U17.11 U18.5 U18.10 U18.15 U19.4 U19.11 U23.15
5102_OUTL: C90.1 J16.5 R80.2
5102_OUTR: C89.1 J14.5 R79.2
/Digital/BCK: A2.7 R58.1
/Digital/CHIP_SELECT: A1.24 U16.1
/Digital/CHIP_SELECT2: A1.23 J2.2
/Digital/ENC_A_IN: MT1.A R105.1
/Digital/ENC_B_IN: MT1.B R89.1
/Digital/ESP_SCL: A1.18 J5.4 J7.4
/Digital/ESP_SDA: A1.17 J5.3 J7.3
/Digital/MCLK: A2.11 R66.1
/Digital/MISO: A1.13 R17.2 U16.5
/Digital/MISO2: J2.5 R17.1
/Digital/MOSI: A1.12 R16.2 U16.3
/Digital/MOSI2: J2.4 R16.1
/Digital/PGA_MUTE: A1.25 U16.6
/Digital/SCK: A1.11 R12.2 U16.4
/Digital/SCK2: J2.3 R12.1
/Digital/SD: A2.5 R57.1
/Digital/WCK: A2.9 R62.1
/DSP/5102_BCK: J9.3 R54.2 U15.13
/DSP/5102_DIN: J9.2 R55.2 U15.14
/DSP/5102_LRCK: J9.1 R56.2 U15.15
/DSP/DATA_OUT: R55.1 U10.14
/DSP/OUTPUT_BCK: R54.1 U10.19
/DSP/OUTPUT_LRCK: R56.1 U10.16
/DSP/RESET: J10.6 R37.2 SW2.1 SW2.2 U9.2 U9.3 U10.5
/DSP/SBOOT: J10.5
/DSP/WP: J10.3 U10.21
/DSP/WP_ROM-A: J6.2 R59.2 U12.7
/Output_Amplification/ZCEN: J12.1 U18.1
/Power/VNEG: C30.1 C31.1 C38.2 C83.2 C84.2 C100.2 C101.2 D8.2 R32.1 TP5.TP U8.15 U17.5 U19.5
/Power/VPOS: C28.1 C32.1 C33.1 C81.1 C82.1 C98.1 C99.1 D7.1 R29.2 TP6.TP U8.23 U17.1 U17.2 U19.1 U19.2
/USBC Input/USBC_CC1: J4.A5 R23.1
/USBC Input/USBC_CC2: J4.B5 R22.1
/USBC Input/USBC_VBUS: C20.1 C21.1 C22.1 J4.A9 J4.B9 R27.1 SW1.2 TP4.TP U5.2 U5.3 U6.5
ANALOG_IN_L: A1.5 R35.2 RV2.2
ANALOG_IN_R: A1.6 R36.2 RV3.2
CS: U16.16 U18.2
DATA_IN: R57.2 U10.10
DSP_IN_L: J16.2 R40.1
DSP_IN_R: J14.2 R51.1
DSP_LED: R33.1 U10.15
ENC0_A: A1.19 C115.1 R104.2 R105.2
ENC0_B: A1.20 C104.1 R88.2 R89.2
ENC0_SW_IN: A1.21 R107.2
INPUT_BCK: R58.2 U10.9
INPUT_LRCK: R62.2 U10.8
INPUT_MCLK: R39.2 R66.2 U10.32
LEFT_FILTERED: J16.4 J16.6 U13.3 U18.16
LEFT_OUT: J15.1 J18.3 R129.1
MUTE: U16.11 U18.8
POT0_WIPER: R71.2 U10.26
POT1_WIPER: R72.2 U10.29
POT2_WIPER: R73.2 U10.28
POT3_WIPER: R75.2 U10.27
RIGHT_FILTERED: J14.4 J14.6 U13.5 U18.9
RIGHT_OUT: J15.3 J18.2 R115.1
SCL: A2.3 J10.2 R61.2 U10.23 U12.6
SCLK: U16.13 U18.6
SDA: A2.4 J10.1 R60.2 U10.22 U12.5
SDI: U16.14 U18.3
SDO: U16.12 U18.7
SEL_SW: R74.2 U10.11
USB_5V_SW: C8.1 C9.1 C19.1 C23.1 C27.1 Q1.2 R11.1 R18.1 R28.1 TP3.TP U1.12 U1.13 U1.14 U5.6 U5.7 U5.8 U8.5 U8.6
Net-(A1-USB): A1.26 C35.1 J3.1
Net-(C40-Pad2): C40.2 R38.1
Net-(C53-Pad1): C53.1 R39.1 Y1.2
Net-(C55-Pad1): C55.1 R49.1 Y1.1
Net-(C105-Pad1): C105.1 C138.1 R91.1
Net-(C106-Pad1): C106.1 C107.1 R94.1 R95.1 R96.2
Net-(C118-Pad1): C118.1 R109.1 R110.1 R112.2
Net-(C123-Pad1): C123.1 MT1.4 R107.1 R108.2
Net-(C127-Pad1): C127.1 C128.1 R120.1 R121.1 R122.2
Net-(C131-Pad1): C131.1 C137.1 R117.1
Net-(C134-Pad1): C134.1 R127.2 R130.1 R131.1
Net-(D1-A): D1.2 R1.2
Net-(D1-K): D1.1 D2.1 D3.1 D4.1 J1.1
Net-(D2-A): D2.2 R2.2
Net-(D3-A): D3.2 R8.2
Net-(D4-A): D4.2 R9.2
Net-(D5-A): D5.2 R18.2
Net-(D6-A): D6.2 R27.2
Net-(D7-A): D7.2 L2.2 U8.1 U8.24
Net-(D8-K): D8.1 L3.1 U8.13 U8.14
Net-(D9-A): D9.2 R34.2
Net-(D9-K): D9.1 Q2.3
Net-(D10-A): D10.2 D11.1 J11.1
Net-(D10-K): D10.1 R77.1
Net-(D11-A): D11.2 R78.2
Net-(D12-A): D12.2 R83.2
Net-(D12-K): D12.1 D13.2 J13.1
Net-(D13-K): D13.1 R84.1
Net-(J8-Pin_1): C56.1 J8.1 R63.1
Net-(J8-Pin_2): C58.1 J8.2 R64.1
Net-(J12-Pin_2): J12.2 R87.1
Net-(J14-Pin_1): C106.2 C107.2 J14.1 J14.3 U21.6 U21.7
Net-(J15-Pin_2): J15.2 R99.1 R103.1
Net-(J15-Pin_4): J15.4 R102.1 R106.1
Net-(J16-Pin_1): C127.2 C128.2 J16.1 J16.3 U21.1 U21.2
Net-(J17-Pad2): J17.2 R117.2 R134.2
Net-(J17-Pad5): J17.5 R91.2 R135.2
Net-(Q1-D): C24.1 L2.1 Q1.3
Net-(Q1-G): Q1.1 U8.7
Net-(Q2-B): Q2.1 R33.2
Net-(R25-Pad1): R25.1 SW1.3
Net-(R41-Pad1): R41.1 RV2.3
Net-(R41-Pad2): R41.2 R42.1 U11.1
Net-(R43-Pad1): R43.1 RV3.3
Net-(R43-Pad2): R43.2 R44.1 U11.7
Net-(R71-Pad1): R71.1 RV1.2
Net-(R72-Pad1): R72.1 RV4.2
Net-(R73-Pad1): R73.1 RV5.2
Net-(R75-Pad1): R75.1 RV6.2
Net-(R76-Pad1): R76.1 SW3.1
Net-(R92-Pad1): R92.1 R94.2 R95.2 U20.7
Net-(R114-Pad1): R114.1 U22.7
